# Altium PCB CoinCraftA1.PcbDoc (part 4 of 7)
Units mm, origin at the board's own origin, x right, y up, seen from the top; angles counter-clockwise.
Board outline 90.25 x 131.5 mm, 4 copper layers (Top Layer, Mid-Top Layer, Mid-Bottom Layer, Bottom Layer); 807 components, 132 nets, 2141 pads, 3703 vias.
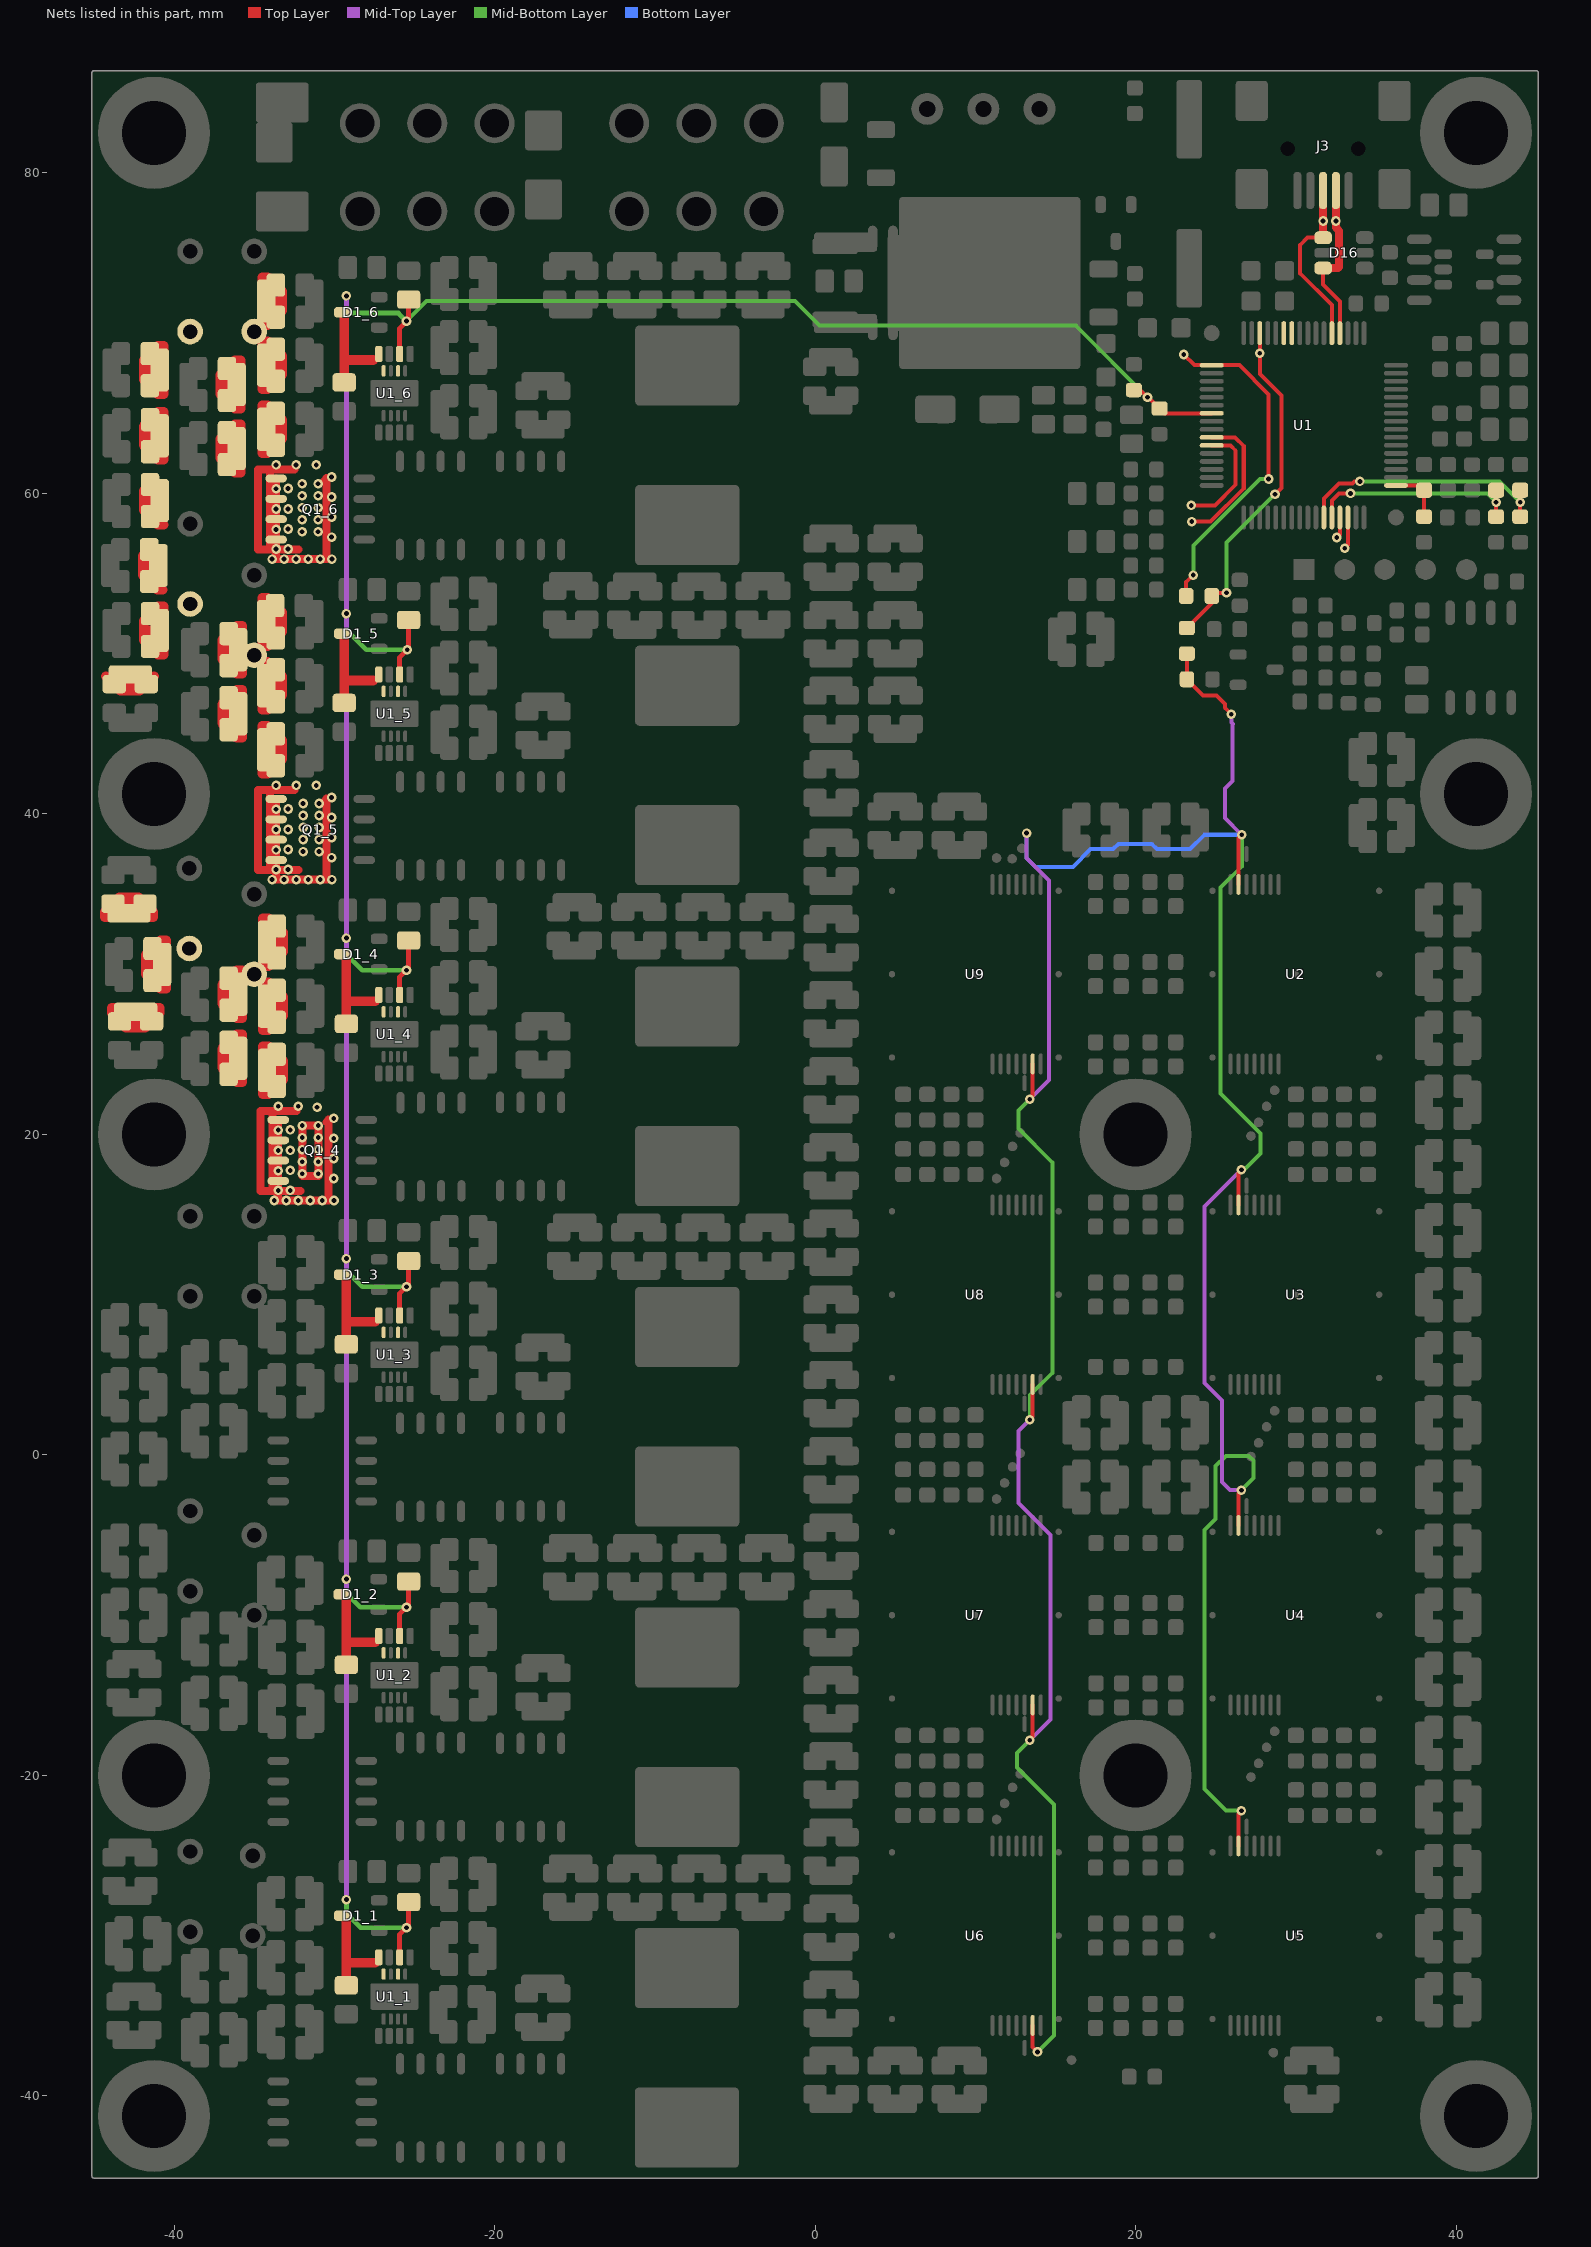
[diagram p6: the nets of this part, all layers, seen from the top]

## Via types
v1: diameter 0.6, hole 0.3, Top Layer to Bottom Layer, tented both sides, 3703 vias

## Nets (pads, with @x,y where several pads share a name; then routed paths per layer and width w, separated by ;. In a path a pad name is that pad's centre, name@x,y a point inside that pad or via, vN(x,y) a via of type N, cw(c..) or ccw(c..) an arc to the next point about the centre after c; other vN are vias at no path point) (continued)
12VF4: C31_4.1 C32_4.1 C33_4.1 C34_4.1 C35_4.1 C36_4.1 C37_4.1 C38_4.1 C39_4.1 C40_4.1 C41_4.1 C42_4.1 C43_4.1 C44_4.1 C45_4.1 C46_4.1 C51_4.1 C52_4.1 C53_4.1 C54_4.1 C55_4.1 C56_4.1 C57_4.1 C58_4.1 F4.2 F10.2 Q1_4.5 Q1_4.6 Q1_4.7 Q1_4.8 | length 104.1
  Top Layer w0.4: -30.55,20.755 -30.365,20.94
  Top Layer w0.5: Q1_4.5@-33.5,20.905 Q1_4.6@-33.5,19.635 Q1_4.7@-33.5,18.365 Q1_4.8@-33.5,17.095 -33.5,15.878 -30.365,15.878 -30.365,20.94 ; -32.368,21.475 -33.868,21.475 ; -32.118,16.475 -33.868,16.475 ; -33.868,16.475 -33.868,21.475 ; -33.868,16.475 -34.618,16.475 -34.618,21.475 -33.868,21.475 ; v1@-32,17.415 -31,17.415 v1(-31,20.55) v1(-32,20.55) v1@-32,17.415
  Top Layer w0.6: C55_4.1@-42.815,33.8 -42.815,34.8 ; C58_4.1@-42.4,27.65 -42.4,26.65 ; C54_4.1@-40.75,30.6 -41.75,30.6 ; C56_4.1@-36,24.75 -37,24.75 ; C57_4.1@-36,28.75 -37,28.75 ; C53_4.1@-34.2,24 -33.2,24 ; C52_4.1@-34.2,28 -33.2,28 ; C51_4.1@-34.2,32 -33.2,32 ; -42.815,34.8 -43.415,34.8 -44.315,33.9 -44.315,33.55 -41.315,33.55 -41.315,33.9 -42.215,34.8 -42.815,34.8 ; -42.4,26.65 -41.8,26.65 -40.9,27.55 -40.9,27.9 -43.9,27.9 -43.9,27.55 -43,26.65 -42.4,26.65 ; -41.75,30.6 -41.75,30 -40.85,29.1 -40.5,29.1 -40.5,32.1 -40.85,32.1 -41.75,31.2 -41.75,30.6 ; -37,24.75 -37,24.15 -36.1,23.25 -35.75,23.25 -35.75,26.25 -36.1,26.25 -37,25.35 -37,24.75 ; -37,28.75 -37,28.15 -36.1,27.25 -35.75,27.25 -35.75,30.25 -36.1,30.25 C36_4.1@-36.6,29.75 -37,29.35 -37,28.75 ; -33.2,24 -33.2,23.4 -34.1,22.5 -34.45,22.5 -34.45,25.5 -34.1,25.5 -33.2,24.6 -33.2,24 ; -33.2,28 -33.2,27.4 -34.1,26.5 -34.45,26.5 -34.45,29.5 -34.1,29.5 -33.2,28.6 -33.2,28 ; -33.2,32 -33.2,31.4 -34.1,30.5 -34.45,30.5 -34.45,33.5 -34.1,33.5 -33.2,32.6 -33.2,32
  other v1: -33.75,15.878 -33,15.878 -32.25,15.878 -31.5,15.878 -30.75,15.878 -30.018,15.878 -33.5,16.505 -32.75,16.505 -30.036,17.25 -32,17.55 -31,17.55 -33.5,17.73 -32.75,17.755 -32,18.3 -31,18.3 -30.036,18.5 -33.5,19 -32.75,19 -32,19.05 -31,19.05 -30.036,19.75 -32,19.8 -31,19.8 -33.5,20.27 -32.75,20.28 -30.036,21 -31.075,21.7 -33.5,21.755 -32.25,21.755
12VF5: C1-5.1 C2-5.1 C3-5.1 C4-5.1 C5-5.1 C6-5.1 C7-5.1 C8-5.1 C9-5.1 C10-5.1 C11-5.1 C12-5.1 C13-5.1 C14-5.1 C15-5.1 C16-5.1 C20-5.1 C21-5.1 C22-5.1 C23-5.1 C24-5.1 C25-5.1 C26-5.1 C27-5.1 F5.2 F11.2 Q1_5.5 Q1_5.6 Q1_5.7 Q1_5.8 | length 88
  Top Layer w0.4: v1@-30.682,40.78 -30.497,40.965
  Top Layer w0.5: Q1_5.5@-33.632,40.93 Q1_5.6@-33.632,39.66 Q1_5.7@-33.632,38.39 Q1_5.8@-33.632,37.12 -33.632,35.903 -30.497,35.903 -30.497,40.965 ; -32.5,41.5 -34,41.5 ; -32.25,36.5 -34,36.5 ; -34,36.5 -34,41.5 ; -34,36.5 -34.75,36.5 -34.75,41.5 -34,41.5
  Top Layer w0.6: C8-5.1@-44.25,48.6 -43.75,48.1 -43.35,47.7 -42.75,47.7 ; C21-5.1@-42.75,48.7 -42.75,47.7 ; C3-5.1@-41.55,56.5 -41.95,56.1 -41.95,55.5 ; C10-5.1@-41.25,48.6 -41.75,48.1 -42.15,47.7 -42.75,47.7 ; C24-5.1@-40.95,55.5 -41.95,55.5 ; C26-5.1@-40.9,51.45 -41.9,51.45 ; -40.7,54 -41.05,54 C9-5.1@-41.55,54.5 -41.95,54.9 -41.95,55.5 ; C27-5.1@-36,46.25 -37,46.25 ; C20-5.1@-36,50.25 -37,50.25 ; C23-5.1@-34.25,44 -33.25,44 ; C22-5.1@-34.25,48 -33.25,48 ; C25-5.1@-34.25,51.975 -33.25,51.975 ; -41.9,51.45 -41.9,52.05 -41.5,52.45 -41,52.95 -40.65,52.95 -40.65,49.95 -41,49.95 -41.5,50.45 -41.9,50.85 -41.9,51.45 ; -37,46.25 -37,46.85 C14-5.1@-36.6,47.25 -36.1,47.75 -35.75,47.75 -35.75,44.75 -36.1,44.75 C12-5.1@-36.6,45.25 -37,45.65 -37,46.25 ; -37,50.25 -37,50.85 C15-5.1@-36.6,51.25 -36.1,51.75 -35.75,51.75 -35.75,48.75 -36.1,48.75 C5-5.1@-36.6,49.25 -37,49.65 -37,50.25 ; -33.25,44 -33.25,44.6 C13-5.1@-33.65,45 -34.15,45.5 -34.5,45.5 -34.5,42.5 -34.15,42.5 C11-5.1@-33.65,43 -33.25,43.4 -33.25,44 ; -33.25,48 -33.25,48.6 C16-5.1@-33.65,49 -34.15,49.5 -34.5,49.5 -34.5,46.5 -34.15,46.5 C7-5.1@-33.65,47 -33.25,47.4 -33.25,48 ; -33.25,51.975 -33.25,52.575 -33.65,52.975 -34.15,53.475 -34.5,53.475 -34.5,50.475 -34.15,50.475 C6-5.1@-33.65,50.975 -33.25,51.375 -33.25,51.975
  other v1: -33.882,35.903 -33.132,35.903 -32.382,35.903 -31.632,35.903 -30.882,35.903 -30.15,35.903 -33.632,36.53 -32.882,36.531 -30.168,37.275 -31.95,37.65 -30.95,37.65 -33.632,37.755 -32.882,37.78 -31.95,38.4 -30.95,38.4 -30.168,38.525 -33.632,39.025 -32.882,39.025 -31.95,39.15 -30.95,39.15 -30.168,39.775 -31.95,39.9 -30.95,39.9 -33.632,40.295 -32.882,40.305 -31.95,40.65 -30.95,40.65 -30.168,41.025 -33.632,41.78 -32.382,41.78 -31.132,41.78
12VF6: C1-6.1 C2-6.1 C3-6.1 C4-6.1 C5-6.1 C6-6.1 C7-6.1 C8-6.1 C9-6.1 C10-6.1 C11-6.1 C12-6.1 C13-6.1 C14-6.1 C15-6.1 C16-6.1 C20-6.1 C21-6.1 C22-6.1 C23-6.1 C24-6.1 C25-6.1 C26-6.1 C27-6.1 F6.2 F12.2 Q1_6.5 Q1_6.6 Q1_6.7 Q1_6.8 | length 96
  Top Layer w0.4: -30.682,60.78 -30.497,60.965
  Top Layer w0.5: Q1_6.5@-33.632,60.93 Q1_6.6@-33.632,59.66 Q1_6.7@-33.632,58.39 Q1_6.8@-33.632,57.12 -33.632,55.903 -30.497,55.903 -30.497,60.965 ; -32.5,61.5 -34,61.5 ; -32.25,56.5 -34,56.5 ; -34,56.5 -34.75,56.5 -34.75,61.5 -34,61.5 ; -34,56.5 -34,61.5
  Top Layer w0.6: C1-6.1@-41.5,60.554 -41.9,60.154 -41.9,59.554 ; C22-6.1@-40.9,59.554 -41.9,59.554 ; C21-6.1@-40.9,63.6 -41.9,63.6 ; -40.65,58.054 -41,58.054 -41.9,58.954 -41.9,59.554 ; C27-6.1@-36.1,62.8 -37.1,62.8 ; C24-6.1@-36.1,66.8 -37.1,66.8 ; C25-6.1@-34.25,64 -33.25,64 ; C20-6.1@-34.25,68 -33.25,68 ; C23-6.1@-34.25,72 -33.25,72 ; -41.9,63.6 -41.9,63 -41,62.1 -40.65,62.1 -40.65,65.1 -41,65.1 -41.9,64.2 -41.9,63.6 ; C5-6.1@-41.9,67.1 C5-6.1@-41,66.2 ; C5-6.1@-41.9,67.1 C15-6.1@-41.9,68.3 ; C5-6.1@-41.9,67.1 C5-6.1@-41,66.2 ; C15-6.1@-41.9,68.3 C15-6.1@-41,69.2 ; C15-6.1@-41.9,68.3 C15-6.1@-41,69.2 ; C5-6.1@-41,66.2 -40.65,66.2 ; C5-6.1@-41,66.2 -40.65,66.2 ; C15-6.1@-41,69.2 -40.65,69.2 ; C15-6.1@-41,69.2 -40.65,69.2 ; -40.65,66.2 -40.65,69.2 ; -37.1,62.8 -37.1,62.2 -36.2,61.3 -35.85,61.3 -35.85,64.3 -36.2,64.3 -37.1,63.4 -37.1,62.8 ; -37.1,66.8 -37.1,66.2 -36.2,65.3 -35.85,65.3 -35.85,68.3 -36.2,68.3 -37.1,67.4 -37.1,66.8 ; -33.25,64 -33.25,63.4 C14-6.1@-33.65,63 -34.15,62.5 -34.5,62.5 -34.5,65.5 -34.15,65.5 C3-6.1@-33.65,65 -33.25,64.6 -33.25,64 ; -33.25,68 -33.25,67.4 C6-6.1@-33.65,67 -34.15,66.5 -34.5,66.5 -34.5,69.5 -34.15,69.5 C10-6.1@-33.65,69 -33.25,68.6 -33.25,68 ; -33.25,72 -33.25,71.4 C12-6.1@-33.65,71 -34.15,70.5 -34.5,70.5 -34.5,73.5 -34.15,73.5 -33.25,72.6 -33.25,72 ; -41.9,67.7 C26-6.1@-40.9,67.7 -41.9,67.7
  other v1: -33.882,55.903 -33.132,55.903 -32.382,55.903 -31.632,55.903 -30.882,55.903 -30.15,55.903 -33.632,56.53 -32.882,56.53 -30.168,57.275 -32.013,57.608 -31.013,57.608 -33.632,57.755 -32.882,57.78 -32.013,58.358 -31.013,58.358 -30.168,58.525 -33.632,59.025 -32.882,59.025 -32.013,59.108 -31.013,59.108 -30.168,59.775 -32.013,59.858 -31.013,59.858 -33.632,60.295 -32.882,60.305 -32.013,60.608 -31.013,60.608 -30.168,61.025 -33.632,61.78 -32.382,61.78 -31.132,61.78
BOOT1: C3_1.1 D1_1.3 U1_1.8 | length 5.9
  Top Layer w0.6: C3_1.1@-29.25,-33.1 -29.25,-31.75 D1_1.3@-29.25,-29 ; -29.2,-31.7 -27.45,-31.7
BOOT2: C3_2.1 D1_2.3 U1_2.8 | length 5.9
  Top Layer w0.6: C3_2.1@-29.25,-13.1 -29.25,-11.75 D1_2.3@-29.25,-9 ; -29.2,-11.7 -27.45,-11.7
BOOT3: C3_3.1 D1_3.3 U1_3.8 | length 5.9
  Top Layer w0.6: C3_3.1@-29.25,6.9 -29.25,8.25 D1_3.3@-29.25,11 ; -29.2,8.3 -27.45,8.3
BOOT4: C3_4.1 D1_4.3 U1_4.8 | length 6.3
  Top Layer w0.6: D1_4.3@-29.5,31.25 -29.25,31 -29.25,28.25 ; C3_4.1@-29.25,26.9 -29.25,28.25 ; -27.45,28.3 -29.2,28.3 -29.25,28.25
BOOT5: C3_5.1 D1_5.3 U1_5.8 | length 5.9
  Top Layer w0.6: C3_5.1@-29.382,46.925 -29.382,48.275 D1_5.3@-29.382,51.025 ; -29.332,48.325 -27.582,48.325
BOOT6: C3_6.1 D1_6.3 U1_6.8 | length 5.9
  Top Layer w0.6: C3_6.1@-29.382,66.925 -29.382,68.275 D1_6.3@-29.382,71.025 ; -29.332,68.325 -27.582,68.325
C1RX: U1.58 | length 9
  Top Layer w0.25: v1(23.5,58.239) 24.672,58.239 26.75,60.317 26.75,62.962 26.212,63.5 U1.58@24.75,63.5
C1TX: U1.59 | length 7.1
  Top Layer w0.25: v1(23.475,59.25) 24.949,59.25 26.25,60.551 26.25,62.662 25.912,63 U1.59@24.75,63
CLKIN: R34.1 R35.1 U2.17 U3.17 U4.17 U5.17 U6.17 U7.17 U8.17 U9.17 | length 204.5
  Top Layer w0.25: v1@13.375,-17.8 13.575,-17.6 U7.17@13.575,-15.6 ; v1@13.375,2.2 13.575,2.4 U8.17@13.575,4.4 ; v1@13.375,22.2 13.575,22.4 U9.17@13.575,24.4 ; U6.17@13.575,-35.6 13.575,-36.948 v1(13.877,-37.25) ; R34.1@23.2,50 R35.1@23.2,48.4 24.2,47.4 25.049,47.4 25.575,46.874 25.575,46.625 v1(25.975,46.225) ; U5.17@26.425,-24.4 26.425,-22.4 v1@26.625,-22.2 ; U4.17@26.425,-4.4 26.425,-2.4 v1@26.625,-2.2 ; U3.17@26.425,15.6 26.425,17.6 v1@26.625,17.8 ; U2.17@26.425,35.6 26.425,38.5 v1(26.625,38.7)
  Mid-Top Layer w0.25: v1(13.2,38.8) 13.2,37.25 14.6,35.85 14.6,23.4 v1(13.4,22.2) ; v1(13.4,-17.8) 14.7,-16.5 14.7,-5 12.7,-3 12.7,1.5 v1(13.4,2.2) ; v1(25.975,46.225) 25.975,45.7 26.075,45.6 ; 26,45.7 26.05,45.65 26.05,42.05 25.575,41.575 25.575,39.741 26.616,38.7 v1(26.625,38.7) ; v1(26.6,-2.2) 25.9,-2.2 25.4,-1.7 25.4,3.4 24.298,4.502 24.298,15.498 v1(26.6,17.8)
  Mid-Bottom Layer w0.25: v1(13.4,-17.8) 12.6,-18.6 12.6,-19.5 14.9,-21.8 14.9,-36.227 v1(13.877,-37.25) ; v1(13.4,2.2) 13.4,3.725 14.8,5.125 14.8,18.257 12.7,20.357 12.7,21.5 v1(13.4,22.2) ; v1(26.6,-22.2) 25.65,-22.2 24.3,-20.85 24.3,-4.697 25,-3.997 25,-0.7 25.639,-0.061 27.061,-0.061 27.35,-0.35 27.35,-1.45 v1(26.6,-2.2) ; v1(26.6,17.8) 26.8,17.8 27.8,18.8 27.8,20.064 25.3,22.564 25.3,35.4 26.625,36.725 v1(26.625,38.7)
  Bottom Layer w0.25: v1(13.2,38.8) 13.2,37.25 13.75,36.7 16.1,36.7 17.2,37.8 18.6,37.8 18.926,38.126 21.009,38.126 21.335,37.8 23.399,37.8 24.299,38.7 v1(26.625,38.7)
CLKIN_MCU: R33.1 R34.2 U1.46 | length 21.8
  Top Layer w0.25: R34.2@23.2,51.6 24.757,53.157 R33.1@24.757,53.6 24.957,53.8 v1(25.674,53.8) ; U1.46@27.75,70 v1(27.75,68.75) 27.75,67.466 29.1,66.116 29.1,60.35 v1(28.7,59.95)
  Mid-Bottom Layer w0.25: v1(25.674,53.8) 25.674,56.924 v1(28.7,59.95)
CLKIN_MCU1: R33.2 U1.49 | length 21.4
  Top Layer w0.25: v1(23,68.666) 23.666,68 U1.49@24.75,68 26.475,68 28.3,66.175 v1(28.3,60.9) ; R33.2@23.157,53.6 23.157,54.457 v1(23.6,54.9)
  Mid-Bottom Layer w0.25: v1(23.6,54.9) 23.6,56.75 27.75,60.9 v1(28.3,60.9)
COMPFB+: C43.1 R11.1 U1.11 | length 15.7
  Top Layer w0.25: U1.11@31.75,58.5 31.75,59.686 32.689,60.625 33.55,60.625 33.675,60.75 ; R11.1@44,58.55 v1(44,59.45) C43.1@44,60.2
  Mid-Bottom Layer w0.25: v1(34,60.75) 42.7,60.75 v1(44,59.45)
COMPFB-: C44.1 R14.1 U1.12 | length 13.4
  Top Layer w0.25: U1.12@32.25,58.5 32.25,59.55 32.7,60 v1(33.411,60) ; R14.1@42.5,58.55 v1(42.5,59.45) C44.1@42.5,60.2
  Mid-Bottom Layer w0.25: v1(33.411,60) 41.95,60 v1(42.5,59.45)
CONFIG_N1: U1.42
CONFIG_P1: U1.43
CSN4: U1.14 | length 2.1
  Top Layer w0.25: v1@33,56.525 v1(33.05,56.575) 33.25,56.775 U1.14@33.25,58.5
CSP4: U1.13 | length 1.3
  Top Layer w0.25: v1(32.55,57.25) 32.75,57.45 U1.13@32.75,58.5
D+: D16.1 J3.3 U1.37 | length 10.9
  Top Layer w0.25: D16.1@31.7,75.96 30.725,75.96 30.275,75.51 30.275,73.725 32.25,71.75 U1.37@32.25,70
  Top Layer w0.5: D16.1@31.7,75.96 J3.3@31.7,78.9
  other v1: 31.7,77
D-: D16.3 J3.2 U1.36 | length 10.4
  Top Layer w0.25: D16.3@31.942,74.06 D16.3@31.7,74.06 31.7,73.035 32.75,71.985 U1.36@32.75,70
  Top Layer w0.5: D16.3@31.942,74.06 32.635,74.06 32.7,74.125 32.7,76.389 32.5,76.589 J3.2@32.5,78.9
  other v1: 32.5,77
DRVLOGIC: C2_1.1 C2_2.1 C2_3.1 C2_4.1 C2_5.1 C2_6.1 R17.2 R18.2 U1.55 U1_1.6 U1_2.6 U1_3.6 U1_4.6 U1_5.6 U1_6.6 | length 207.3
  Top Layer w0.25: R18.2@19.892,66.45 20.292,66.45 v1(20.742,66) 20.8,66 R17.2@21.5,65.3 21.8,65 U1.55@24.75,65
  Top Layer w0.3: U1_1.6@-25.925,-31.35 -25.925,-29.925 v1(-25.5,-29.5) -25.362,-29.362 C2_1.1@-25.362,-27.9 ; U1_2.6@-25.925,-11.3 -25.925,-9.925 v1(-25.5,-9.5) -25.362,-9.362 C2_2.1@-25.362,-7.9 ; U1_3.6@-25.925,8.7 -25.925,10.075 v1(-25.5,10.5) -25.362,10.638 C2_3.1@-25.362,12.1 ; U1_4.6@-25.925,28.7 -25.925,29.825 v1(-25.5,30.25) -25.362,30.388 C2_4.1@-25.362,32.1 ; U1_5.6@-25.925,48.7 -25.925,49.775 v1(-25.45,50.25) -25.362,50.338 C2_5.1@-25.362,52.1 ; U1_6.6@-25.925,68.7 -25.925,70.3 -25.362,70.863 v1@-25.362,70.888 ; v1(-25.5,70.75) v1@-25.362,70.888 ; C2_6.1@-25.362,72.1 v1@-25.362,70.888
  Mid-Top Layer w0.3: v1(-29.25,-27.75) v1(-29.25,-7.75) v1(-29.25,12.25) v1(-29.25,52.5) v1(-29.25,72.325)
  Mid-Bottom Layer w0.25: v1(-25.5,70.75) -24.25,72 -1.25,72 0.275,70.475 2.975,70.475 16.266,70.475 v1(20.742,66)
  Mid-Bottom Layer w0.3: v1(-29.25,-27.75) -29.25,-28.612 -28.362,-29.5 v1(-25.5,-29.5) ; v1(-29.25,-7.75) -29.25,-8.632 -28.382,-9.5 v1(-25.5,-9.5) ; v1(-29.25,12.25) -29.25,11.5 -28.25,10.5 v1(-25.5,10.5) ; v1@-29.25,32.012 v1(-29.25,32.25) -29.25,31.25 -28.25,30.25 v1(-25.5,30.25) ; v1(-29.25,52.5) -29.25,51.5 -28,50.25 v1(-25.45,50.25) ; v1(-29.25,72.325) -29.25,71.6 -28.9,71.25 -26,71.25 v1(-25.5,70.75)
FB: C251.1 R43.1 U1.17 | length 3.5
  Top Layer w0.25: U1.17@36.25,60.5 37.7,60.5 C251.1@38,60.2 R43.1@38,58.55